# Altium PCB 400101.PcbDoc (continued)
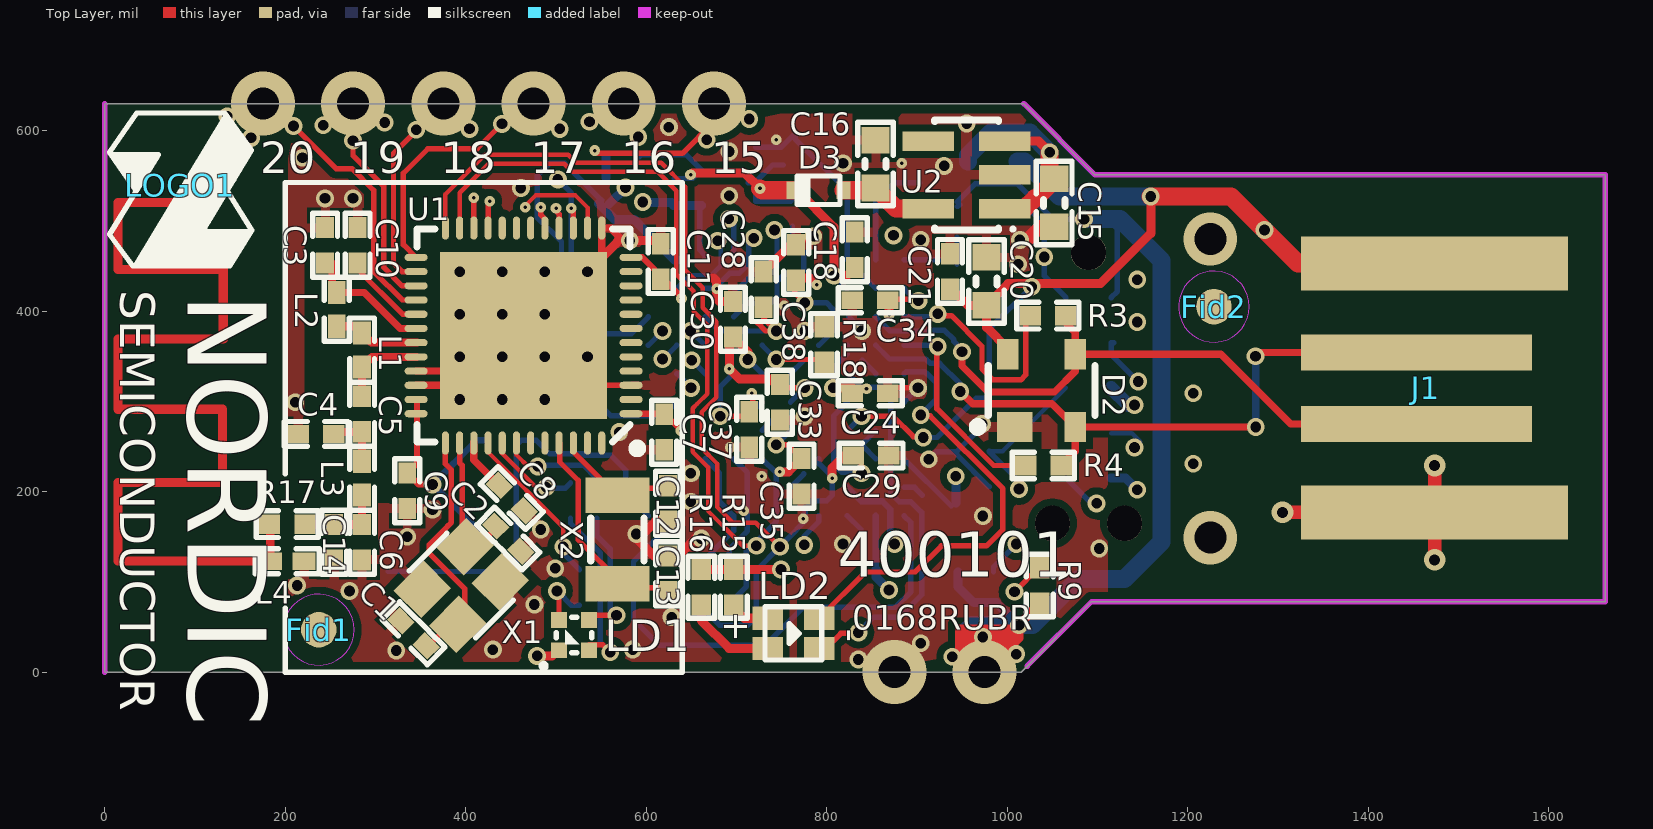
[diagram p0: Top Layer view]
## Footprints (in the part's own frame and the unit in brackets; to place one, negate y for a bottom-side part, rotate by r counter-clockwise, add the part's x,y. Pads: shape width x height; smd on the part's side, far side on the other; paste and mask are expansions set on the pad) (continued)
NORDIC_LOGO_M [mil] "Medium Nordic Logo"
  silkscreen extent -80,-78 90,80
QFN40P600X600X90-48N [mm] "QFN, 48-Leads, Body 6,0x6,0mm (max), Pitch 0,40mm, IPC Medium Density"
  oval 0.65x0.2 smd: 1(-3.025,2.2) 2(-3.025,1.8) 3(-3.025,1.4) 4(-3.025,1) 5(-3.025,0.6) 6(-3.025,0.2) 7(-3.025,-0.2) 8(-3.025,-0.6) 9(-3.025,-1) 10(-3.025,-1.4) 11(-3.025,-1.8) 12(-3.025,-2.2) 25(3.025,-2.2) 26(3.025,-1.8) 27(3.025,-1.4) 28(3.025,-1) 29(3.025,-0.6) 30(3.025,-0.2) 31(3.025,0.2) 32(3.025,0.6) 33(3.025,1) 34(3.025,1.4) 35(3.025,1.8) 36(3.025,2.2)
  oval 0.2x0.65 smd: 13(-2.2,-3.025) 14(-1.8,-3.025) 15(-1.4,-3.025) 16(-1,-3.025) 17(-0.6,-3.025) 18(-0.2,-3.025) 19(0.2,-3.025) 20(0.6,-3.025) 21(1,-3.025) 22(1.4,-3.025) 23(1.8,-3.025) 24(2.2,-3.025) 37(2.2,3.025) 38(1.8,3.025) 39(1.4,3.025) 40(1,3.025) 41(0.6,3.025) 42(0.2,3.025) 43(-0.2,3.025) 44(-0.6,3.025) 45(-1,3.025) 46(-1.4,3.025) 47(-1.8,3.025) 48(-2.2,3.025)
  rect 4.7x4.7 smd: 49(0,0)
  silkscreen extent -3.33,-3 3,3.3, body extent -3,-3 3,3, height 0.9
RESC1005X04L [mm] "Chip Resistor, 2-Leads, Body 1.0x0.5mm, IPC High Density"
  rect 0.6x0.55 smd: 1(-0.5,0) 2(0.5,0)
  silkscreen extent -0.87,-0.38 0.88,0.38, body extent -0.5,-0.25 0.5,0.25, height 0.3
SML-LX0404SIUPGUSB [mm]
  rect 0.45x0.45 smd paste+0: 1(0.425,-0.425) 2(-0.425,0.425) 3(-0.425,-0.425) 4(0.425,0.425)
  silkscreen extent -0.5,-0.5 0.92,0.93, body extent -0.5,-0.5 0.5,0.5, height 0.25
SOD-523 [mm]
  rect 0.4x0.5 smd: 1(0.7,0) 3(-0.7,0)
  silkscreen extent -0.6,-0.4 0.6,0.4, body extent -0.8,-0.4 0.8,0.4, height 0.7
SOT190P230X110-4L [mm] "SOT143, 4-Leads, Body 3.0x2.5mm (max), Pitch 1.90mm, IPC High Density"
  rect 0.85x1 smd: 1(-1.025,0.75)
  rect 0.85x0.6 smd: 2(-1.025,-0.95) 3(1.025,-0.95) 4(1.025,0.95)
  silkscreen extent -1.15,-1.5 0.7,1.92, body extent -1.21,-1.46 1.21,1.46, height 1
SOT-23-5 [mm] "SOT-23/SC-74A; 5 Leads; Body 3.1 x 3 mm, inc. leads (LxW max)"
  rect 0.55x1.45 smd: 1(-0.95,-1.075) 2(0,-1.075) 3(0.95,-1.075) 4(0.95,1.075) 5(-0.95,1.075)
  silkscreen extent -1.57,-1.35 1.55,0.9, body extent -1.5,-1.5 1.5,1.5, height 1.3
TC2050-IDC-NLFP [mil]
  round 39 hole 39 unplated: 0(-150,0) 0(150,-40) 0(150,40)
  round 31 smd paste-196.85: 1(-100,-25) 2(-50,-25) 3(0,-25) 4(50,-25) 5(100,-25) 6(100,25) 7(50,25) 8(0,25) 9(-50,25) 10(-100,25)
  Top Layer pour cut-out: -100,25 -100,-25 100,-25 100,25
USB-A-PCB [mil]
  rect 296x60 smd paste-196.85: 1(-7.87,-137.8) 4(-7.87,138)
  rect 256x40 smd paste-196.85: 2(12,-39.37) 3(12,40)
XTAL_3215 [mm] "XTAL SMD 3.2 x 1.5 mm"
  rect 1x1.8 smd: 1(-1.25,0) 2(1.25,0)
  silkscreen extent -0.6,-0.75 0.6,0.75, body extent -1.6,-0.75 1.6,0.75, height 0.81

## Part data
C1 C2 C12 C13: library part C0402-12p, "Capacitor, NP0, ±2%"
C3: library part C0402-2n2, "Capacitor, X7R, ±10%"
C4 C14: library part C0402-1.0p, "Capacitor, NP0, ±0.1pF"
C5: library part C0402-3.9p, "Capacitor, NP0, ±0.1pF"
C6: library part C0402-1.5p, "Capacitor, NP0, ±0.1pF"
C7 C8 C11 C18 C21 C24 C26 C29 C30 C31 C32 C33 C34 C35 C36 C37 C38 C39: library part C0402-100n, "Capacitor, X7R, ±10%"
C9: library part C0402-1n0, "Capacitor, X7R, ±10%"
C10: library part C0402-47n, "Capacitor, X7R, ±10%"
C15 C16: library part C0603-1µ0, "Capacitor, X7R, ±10%"
C19: library part C0402-10p, "Capacitor, NP0, ±2%"
C20 C25 C27: library part C0603-10µ, "Capacitor, X5R, ±20%"
C22 C23: library part C0402-18p, "Capacitor, NP0, ±5%"
C28: library part C0402-10n, "Capacitor, X7R, ±10%"
D1 D3: "Diode Schottky Vf=0.38, Vr=40V, If=200mA, Ir=500nA"
D2: "Ultra low capacitance double rail-to-rail ESD protection diode"
Fid1 Fid2: library part Fid-Mark, "Fiducial Mark"
J1: library part USB-A-PCB, "USB-A PCB footprint"
J2: library part TC2050-IDC-NLFP, "CBL PLUG-OF-NAILS 10-PIN"
L1: library part L0402-4n7, "Inductor, 160mA, ±0.1nH"
L2: library part L0402-27n, "Inductor, 70mA, ±2%"
L3: library part L0402-3n3, "Inductor, 190mA, ±0.1nH"
L4: library part L0402-1n8, "Inductor, 280mA, ±0.1nH"
LD1: library part SML-LX0404SIUPGUSB, "RGB LED 1.00 mm x 1.00 mm SMD"
LD2: "Ultra bright AlInGaP Bi-Color LED"
LOGO1: "Nordic Logo, medium size"
R1: library part R0402-10k, "Resistor, ±1%, 0.063W"
R3 R4: library part R0402-39R, "Resistor, ±1%, 0.063W"
R5 R19: library part R0402-6k8, "Resistor, ±1%, 0.063W"
R6 R7: library part R0402-150, "Resistor, ±1%, 0.063W"
R8 R9 R10 R11: library part R0402-4k7, "Resistor, ±1%, 0.063W"
R12: library part R0402-2k2, "Resistor, ±1%, 0.063W"
R13: library part R0402-680, "Resistor, ±1%, 0.063W"
R14: library part R0402-820, "Resistor, ±1%, 0.063W"
R15 R16: library part R0402-220, "Resistor, ±1%, 0.063W"
R17: library part R0402-0R, "Resistor, ±5%, 0.063W"
R18: library part R0402-1k0, "Resistor, ±1%, 0.063W"
R20: library part R0402-8k2, "Resistor, ±1%, 0.063W"
SW1: "Microminiature SMT Switch, Side Actuated"
U1: library part nRF51422-QFAC-XLR3+, "Multi-protocol Bluetooth Low Energy, ANT and 2.4GHz proprietary system-on-chip"
U2: "IC REG LDO 3.3V 300MA SOT23-5"
U3: "IC MCU 32bit 128kB flash 100TFBGA"
X1: library part NX2520SA-16MHZ-STD-CSW-5, "XTAL SMD 2520, 16MHz, 8pF, ±15ppm"
X2: library part "XTAL_FC-135 32.768k", "EPSON TOYOCOM - FC-135 32.768KHZ ±20PPM,9.0PF - CRYSTAL, SM, WATCH"
X3: library part "XTAL SMD 12MHz (3225)", "XTAL SMD 3225, 12MHz, 18pF, ±30ppm"

## Via types
v1: diameter 19.68, hole 11.81, Top Layer to Bottom Layer, tented both sides, 142 vias
v2: diameter 11.81, hole 3.94, Top Layer to Mid-Layer 1, tented both sides, 26 vias
v3: diameter 11.81, hole 3.94, Mid-Layer 2 to Bottom Layer, tented both sides, 19 vias
v4: diameter 70.87, hole 35.43, Top Layer to Bottom Layer, 8 vias
v5: diameter 24, hole 12, Top Layer to Bottom Layer, tented both sides, 3 vias
v6: diameter 59.06, hole 35.43, Top Layer to Bottom Layer, 2 vias

## Nets (pads, with @x,y where several pads share a name; then routed paths per layer and width w, separated by ;. In a path a pad name is that pad's centre, name@x,y a point inside that pad or via, vN(x,y) a via of type N, cw(c..) or ccw(c..) an arc to the next point about the centre after c; other vN are vias at no path point)
ANT: L4.2 R17.2 | length 1139.4
  Top Layer w9: L4.2 R17.2@183.3,163.02 ; R17.2@188.31,164 R17.2@189.3,163.02
  Top Layer w10: 74.38,520.31 14.3,520.31 14.3,446.31 131.19,446.31 131.19,369.31 14.3,369.31 14.3,291.31 130.19,291.31 130.19,210.31 14.3,210.31 14.3,123 L4.2@189.3,123
ANT1: L1.1 L2.2 U1.31 | length 96.4
  Top Layer w9: L2.2 277.4,383.3 295.57,365.13 U1.31@345.89,365.13
ANT2: C5.1 L1.2 U1.32 | length 99.1
  Top Layer w9: C5.1@285,304.7 L1.2 296.08,349.38 U1.32@345.89,349.38
BOOT: R1.1 SW1.1 U3.K10 | length 479.8
  Bottom Layer w6: SW1.1@314.13,111.54 455.87,111.54 455.87,251.18 R1.1 478,257 493,242 530.35,242 531.84,240.5 560.5,240.5 577,224 577,198.54 U3.K10
DEC1: C8.1 U1.39 | length 59.7
  Top Layer w8: U1.39@408.88,254.89 408.88,235.12 C8.1
DEC2: C10.1 U1.29 | length 93.4
  Top Layer w6: C10.1 280,446.45 329.83,396.62 U1.29@345.89,396.62
DFSD_N: R4.1 U3.D1 | length 225.5
  Top Layer w6: v1(923,361) 922,360 922,292 985,229 R4.1
  Bottom Layer w6: U3.D1 v1@917.4,362.24
DFSD_P: R3.1 U3.C1 | length 251.6
  Top Layer w6: v1(923,397) 923,396 924,395 938,395 972,361 972,336 984,324 1015,324 1020.41,329.41 1020.41,391.91 R3.1@1017.32,395
  Bottom Layer w6: U3.C1 U3.C1@885.83,393.65 ; U3.C1@887.47,392 U3.C1@885.83,393.65 ; v1@923,393.65 U3.C1@885.83,393.65
DHSD_N: D2.2 J1.2 R4.2 U3.D2 | length 771.6
  Top Layer w8: v1(948,311) 961.62,297.38 1049.67,297.38 D2.2 ; R4.2 1075.4,244.72 D2.2 ; v1(1275,350) 1279.34,354.34 J1.2 ; v1(1275.35,271.65) D2.2
  Bottom Layer w6: U3.D2 869.48,347 909.77,347 912.92,343.84 ; 912.95,343.84 914.63,342.16 925.01,342.16 948,319.17 v1(948,311)
  Bottom Layer w8: v1(1275,350) 1275.35,349.65 v1(1275.35,271.65)
DHSD_P: D2.3 J1.3 R3.2 U3.C2 | length 757.5
  Top Layer w8: v1(949.87,355) 949.87,339.13 978.62,310.38 1052.38,310.38 1075.4,333.4 D2.3 ; R3.2@1056.69,395 1075.4,376.28 D2.3 ; J1.3 1314.19,274.97 1236.8,352.35 D2.3
  Bottom Layer w6: U3.C2 869.98,378 914.77,378 915.61,378.84 930.39,378.84 940.84,368.39 940.84,366.39 949.87,357.36 v1(949.87,355)
ENSPI: U3.K1 U3.K9 | length 565.7
  Bottom Layer w6: U3.K9 633.76,170.55 585.83,122.61 585.83,58.17 614.12,29.88 731.88,29.88 774,72 876,72 893.06,89.06 893.06,165.94 U3.K1
GND: C1.2 C2.2 C3.2 C4.2 C6.2 C7.2 C8.2 C9.2 C10.2 C11.2 C12.2 C13.2 C14.2 C15.1 C16.1 C18.1 C19.1 C20.1 C21.1 C22.2 C23.2 C24.2 C25.1 C26.1 C27.1 C28.1 C29.1 C30.1 C31.1 C32.1 C33.1 C34.1 C35.1 C36.1 C37.1 C38.1 C39.1 D2.1 J1.4 J2.3 L4.1 R5.1 R8.2 R18.1 R20.2 SW1.2 U1.3 U1.13 U1.33 U1.34 U1.49 U2.2 U3.B2 U3.C3 U3.E2 U3.E5 U3.F1 U3.F6 U3.G2 U3.G6 U3.H2 U3.J1 U3.J5 U3.K3 X1.2 X1.4 X3.2 X3.4 | length 1829.2
  Top Layer w6: U1.49@519.12,317.88 U1.3 ; C38.1@766,474.68 770.32,479 v1@791,479 ; C24.2@867.69,315 v1(901,315)
  Top Layer w8: U1.34 408.88,317.88 U1.49@424.63,333.63 ; U1.33 U1.49@424.63,333.63 ; U1.49 U1.49@424.63,333.63 ; U1.49@550.61,459.61 U1.13 560.09,492.1 573.79,478.39 v1(581.76,478.39)
  Top Layer w10: X1.4@357.85,83.69 X1.4@357.85,94.82 ; U1.49 v1(534.87,443.87) U1.49@550.61,459.61 ; U1.49@546,455 567.63,476.63 ; v1(581.76,478.39) 612.35,478.39 C11.2 ; C12.2 610.31,167.31 596,153 v1(589,153) 589,148.22 608.53,128.69 C13.2 634.69,128.69 654,148 v1(661,148) ; 674,437 678,433 678,414 681.32,410.68 C30.1 ; C28.1 760,473.68 C38.1
  Top Layer w15: v1(1014,479) 1022,479 1036.43,493.43 C15.1 ; v5@1305.03,176.97 J1.4 ; v5(1473.58,124.43) v5(1473.58,229)
  Bottom Layer w6: v3(592,571) 594.57,573.57 C27.1 ; C27.1@628,573.57 644.11,573.57 661,556.68 651.32,547 v3@631,547 ; C23.2@712.91,542.31 C23.2 ; v3(713.36,284.36) U3.F6 ; v3(721,524) v3@721,522 ; U3.G6 v3(743.14,282.65) ; 752,562 740,562 721,543 C23.2 ; U3.J5 v3(774.64,219.65) ; U3.E5 v3(774.64,345.64) ; X3.2 760.05,522 v3@721,522 ; U3.K3 v3(837.63,158.38) ; U3.C3@824,394 v1@838.89,379.11 ; v3(839.35,251.15) U3.H2 ; v3@839.35,252.87 U3.G2 ; v3(839.35,345.64) U3.E2 ; v3(839.35,440.13) U3.B2 ; U3.J1 897.24,204.76 v3(906,196) ; U3.F1 v1@901,314.52 ; v1(913,236) 921.31,244.31 R20.2 ; v1(972,275) 972,272.31 R20.2 ; R8.2 944,241.31 R20.2 ; v3@721,522 C23.2
  Bottom Layer w10: v3(555.33,548) C25.1@555.33,572.25
  Bottom Layer w15: J2.3 1133.97,296 v1(1141,296)
  other v1: 835,14 323,24 430,25 585,25 904,32 628,61 476,75 271,90 213,96 499,115 1102,137 818,142 335,150 483,158 973,173 363,180 649.4,188.93 649.4,220.42 1206,231 570,266 775.39,283.42 211,299 393.13,302.13 440.38,302.13 487.62,302.13 1206,309 393.13,349.38 440.38,349.38 487.62,349.38 534.87,349.38 775.5,377.99 838.89,378.11 1144,388 393.13,396.62 440.38,396.62 487.62,396.62 1144,435 393.13,443.87 440.38,443.87 487.62,443.87 1012,452 904,479 785,483 244,525 275,525 692,528 461,536.56 930,561 818,564 219,570 692,577 625,604 955,608
  other v2: 774,170 708,179 728,217 693,249 753,406 678,425 883,564 744,590
  other v3: 575,398 797,524 628,550 772,560 859,564 902,609
  other v4: 875,0
  other v5: 1305,177
  other v6: 1225,149
IMCU_RESET: J2.10 R11.1 U3.B7 | length 603.9
  Mid-Layer 1 w6: v1(742,490) 754.6,502.6 1037.46,502.6 1041,499.06 v1(1041,460)
  Bottom Layer w6: U3.B7 701.87,425.24 716.76,440.13 736.57,440.13 744.86,448.41 744.86,487.14 v1(742,490) ; R11.1 1016,521 1041,496 v1(1041,460) 1041,438.97 J2.10
IMCU_TCKS: J2.4 R10.1 U3.A7 | length 901.4
  Mid-Layer 1 w6: v1(691.53,502.38) 696.84,497.07 696.84,470.61 705.45,462 789.79,462 796.79,469 825.56,469 846.83,447.72 955.28,447.72 1141,262 v1(1141,249) 1140,248 1087,248 1010,171 v1(1010,142)
  Bottom Layer w5: J2.4 1138.03,264.97 v1@1147.5,255.5
  Bottom Layer w6: v1(691.53,502.38) 696.84,497.07 696.84,456.82 U3.A7 ; R10.1 984.69,116.68 v1(1010,142)
IMCU_TDIS: J2.8 R8.1 U3.B9 | length 813.6
  Mid-Layer 1 w6: v1(679,478) 679,468 696,451 794.35,451 800.51,457.16 821.84,457.16 842.28,436.72 950.72,436.72 1014,373.44 v1@1014,203
  Bottom Layer w5: U3.B9 648.53,440 672,440 682.37,450.37 v1@682.37,475.37 ; R8.1 994.72,244.68 J2.8
  Bottom Layer w6: R8.1 1014,210.68 v1@1014,203
  other v1: 1013,203
IMCU_TDOS: J2.6 U3.B8 | length 917.1
  Mid-Layer 1 w6: v1(719,481) 719,497 735.6,513.6 1042.02,513.6 1058.84,496.77 1058.84,437.16 1172,324 1172,237.44 1154.71,220.16 1109.71,220.16 1099,209.44 v1(1099,187)
  Bottom Layer w6: U3.B8 675.7,425.24 692.3,441.84 702.92,441.84 713.36,452.28 713.36,475.36 v1(719,481) ; J2.6 v1@1095.98,183.98
IMCU_TMSS: J2.2 R9.1 U3.C7 | length 1057
  Top Layer w6: v1(1008,89) 1034.69,115.68 R9.1
  Mid-Layer 1 w6: v1(874,484) 874,482 897.28,458.72 960.28,458.72 1097,322 v1(1145,322) 1161,306 1161,242 1150.16,231.16 1105.16,231.16 1081.16,207.16 1081.16,157.24 1012.92,89 v1(1008,89)
  Mid-Layer 2 w6: v3(763,494) 777,508 854,508 v1@874,488
  Bottom Layer w6: U3.C7 711.65,408.63 737.63,408.63 744.86,415.86 744.86,432.86 753,441 770,441 774.64,445.64 774.64,465.54 762,478.18 v3@762,494 ; J2.2@1118.03,364.97 J2.2 1115,352 v1(1145,322)
NetC4_1: C4.1 C5.2 L3.1 | length 66.6
  Top Layer w9: C4.1@250.69,266 C5.2@284.69,266 ; L3.1 C5.2
NetC16_2: C16.2 D3.1 U2.5 | length 102.6
  Top Layer w20: D3.1 856.43,534 876.83,513.6 U2.5
NetC19_2: C19.2 R5.2 U3.A1 | length 83.9
  Bottom Layer w6: U3.A1 885.84,456.84 939.47,456.84 R5.2@939.58,456.73 ; R5.2@944.31,452 C19.2@944.31,482
NetC28_2: C28.2 U3.C8 | length 142.2
  Top Layer w6: 723,387.31 732.32,377.99 v1(744,377.99) 730,391.99 C28.2
  Bottom Layer w6: U3.C8 681.01,377.99 v1(744,377.99)
NetLD1_1: LD1.1 R12.2 | length 55.9
  Top Layer w6: v1(501,90) 503.27,87.73 LD1.1@503.27,63.73
  Bottom Layer w6: v1@503,88 516.69,74.31 R12.2
NetLD1_2: LD1.2 R13.2 | length 193.2
  Top Layer w6: LD1.2@536.73,30.27 551.73,30.27 v1(560,22)
  Bottom Layer w6: R13.2@516,170.31 516,165 549,132 549,33 v1(560,22)
NetLD1_3: LD1.3 R14.2 | length 146.2
  Top Layer w6: LD1.3@536.73,63.73 537.46,63 v1(567,63)
  Bottom Layer w6: R14.2 545,151.56 560,136.56 560,68 v1@565,63
NetLD2_1: LD2.1 R15.2 | length 46.5
  Top Layer w10: R15.2@694,74.31 708.58,59.73 LD2.1
NetLD2_2: LD2.2 R16.2 | length 103.5
  Top Layer w10: R16.2 661,57 691.73,26.27 LD2.2
NetR18_2: R18.2 U3.D6 | length 75.8
  Top Layer w6: v1(744,346.5) 795.82,346.5 R18.2@797,345.31
  Bottom Layer w6: U3.D6 v1(744,346.5)
NetR19_2: R19.2 R20.1 U3.G3 | length 190
  Top Layer w6: v1(838.49,283.5) 873.5,283.5 896,261 v1@906,261
  Bottom Layer w6: U3.G3 v1(838.49,283.5) ; v1(907,260) 922.23,260 965.55,303.31 R19.2
OB_LED1: LD2.4 U3.E3 | length 439.3
  Top Layer w6: LD2.4 798.92,26.27 815.65,43 834,43 v1(835,44)
  Bottom Layer w6: U3.E3 837.63,315.86 862.14,315.86 870.84,307.16 870.84,198.16 880,189 893,189 905,177 905,85.44 880.56,61 852,61 v1(835,44)
OB_LED2: LD2.3 U3.E1 | length 499.2
  Top Layer w6: LD2.3 842.81,111 898,111 927,140 977,140 995,158 995,203.44 914.44,284 v1@903,284
  Bottom Layer w6: U3.E1 887.83,332.84 908.39,332.84 910.49,330.75 911.25,330.75 921.17,320.83 921.17,302.17 v1(904,285)
P0.00: U1.4
P0.01: U1.5
P0.02: U1.6
P0.03: U1.7
P0.04: U1.8
P0.05: U1.9
P0.06: U1.10
P0.07: U1.11
P0.08: U1.14 U3.E9 | length 439
  Top Layer w5: v2@465.5,516.47 477.68,528.66 521.06,528.66 534.87,514.85 U1.14
  Mid-Layer 1 w6: v2(466,515) 466,434 480,420 494,420 599,315 v1(649.51,315)
  Bottom Layer w6: U3.E9 v1(649.51,315)
P0.09: U1.15 U3.D9 | length 264.3
  Top Layer w6: v2(516.81,513.95) 516.81,514.81 517,515 519.12,512.88 U1.15 ; v1@618,345 v1@618,346.48
  Mid-Layer 1 w6: v2(516.81,513.95) 516.81,514.81 517,515 522.44,515 552,485.44 552,459.18 596.53,414.65 596.53,368.47 v1(618,347)
  Bottom Layer w6: v1@618,345 618,346.48 U3.D9
P0.10: U1.16 U3.E8 | length 328.2
  Top Layer w6: v2@500,511 503.37,507.63 U1.16
  Mid-Layer 1 w6: v2@500,515 500,477 510,467 510,419.56 603.56,326 630.73,326 v1(650.37,345.64)
  Bottom Layer w6: v1(650.37,345.64) U3.E8
  other v2: 500,514
P0.11: U1.17 U3.D10 | length 286.5
  Top Layer w6: v2(483,515) 483,507 487.62,502.38 U1.17
  Mid-Layer 1 w6: v2(483,515) 483,521 490,528 525,528 563,490 563,464 618.02,408.98 v1(618.02,377.99)
  Bottom Layer w6: U3.D10 v1(618.02,377.99)
P0.12: U1.18
P0.13: U1.19
P0.14: U1.20
P0.15: U1.21 | length 340.9
  Top Layer w6: U1.21 v2@424.63,522 ; v2(543,578) 546.16,574.84 639.84,574.84 675,610 v4(675,630)
  Mid-Layer 1 w6: v2(426.63,522) 426.63,528.07 464.56,566 531,566 v2(543,578)
  other v1: 667,590 714,613
P0.16: U1.22 | length 243
  Top Layer w6: U1.22 v2(408.88,525.88)
  Mid-Layer 1 w6: v2(408.88,525.88) 460,577 522,577 v4(575,630)
  other v1: 591,593 537,610
P0.17: U1.25 | length 275.2
  Top Layer w6: U1.25 330.84,473.68 330.84,552.84 358,580 412.44,580 462.44,630 v4(475,630)
  other v1: 504,602 440,607.56
P0.18: U1.26 | length 228.5
  Top Layer w6: U1.26 329.26,443.87 319.84,453.28 319.84,574.84 v4(375,630)
  other v1: 345,601 404,602
P0.19: U1.27 | length 239.9
  Top Layer w6: v4(275,630) 275,572.4 308.84,538.56 308.84,448.72 329.45,428.12 U1.27
  other v1: 275,589 242,606 310,609
P0.20: U1.28 | length 312.7
  Top Layer w6: v4(175,630) 184.23,630 256.23,558 273.84,558 297.84,534 297.84,444.17 329.64,412.37 U1.28
  other v1: 162,592 209,605.23 135.6,616
P0.21: R12.1 U1.40 | length 182.2
  Top Layer w5: U1.40 424.63,243.9 508,160.53 v1(508,139)
  Bottom Layer w6: v1(508,139) 508,131.68 R12.1
P0.22: R13.1 U1.41 | length 105.6
  Top Layer w5: U1.41@440,253.91 440,242.67 478.67,204 v1@491,204
  Bottom Layer w6: v1@491,204 510.32,204 R13.1@516,209.68
  other v1: 489,205
P0.23: R14.1 U1.42 | length 115.1
  Top Layer w5: U1.42 456.13,240.68 469.81,227 v1@482,227
  Bottom Layer w6: v1@486,229 486.5,229.5 530.14,229.5 545,214.64 R14.1
  other v1: 479.75,228
P0.24: U1.43
P0.25: U1.44
P0.28: U1.47
P0.29: U1.48
RF: C6.1 C14.1 L3.2 R17.1 | length 94.9
  Top Layer w9: C6.1 L3.2
  Top Layer w10: R17.1@222.67,163.69 C6.1
SWCLK: R7.2 U1.24 U3.H4 | length 1111.7
  Top Layer w5: U1.24 377.39,529.61 421.12,573.34 513.33,573.34 522.33,564.34 616.66,564.34 643.34,537.66 643.34,445.21 662.41,426.14 662.41,403.74 677.71,388.43 677.71,304.53 661.41,288.23 661.41,248.12 678.39,231.14 678.39,183 695.79,165.59 721.41,165.59 v1(748,139)
  Bottom Layer w6: R7.2@657,76.31 681.31,52 712.61,52 721.83,61.21 721.83,112.83 v1(748,139) 757,148 757,148.23 776,167.23 776,183 782.87,189.87 799.87,189.87 806.13,196.13 806.13,216.25 791.24,231.14 U3.H4
SWDIO: R6.2 U1.23 U3.H6 | length 945.6
  Top Layer w5: U1.23 393.13,531.22 425.26,563.34 509.18,563.34 518.18,554.34 612.52,554.34 633.34,533.52 633.34,441.06 652.41,422 652.41,399.59 667.71,384.29 667.71,308.68 656.7,297.66 ; 656.66,297.66 651.41,292.41 651.41,243.98 668.39,227 668.39,178.61 707,140 v1(722,140)
  Bottom Layer w6: R6.2 710.83,95.14 710.83,133.83 744,167 744,220.51 U3.H6
TCKOUT: R7.1 U3.H8 U3.K7 | length 150.1
  Bottom Layer w6: R7.1@657,115.68 657,117 696.76,156.76 U3.K7 681,189.02 681,220.52 U3.H8
TMSOUT: R6.1 U3.H7 | length 135.2
  Bottom Layer w6: R6.1 692,136.44 712,156.44 712,221.02 U3.H7
VBUS: C20.2 C21.2 D1.1 D2.4 J1.1 J2.5 R19.1 | length 1427.9
  Top Layer w10: C21.2@940.61,430.43 936.5,426.31 956.39,406.43 C20.2 ; D2.4 1000.6,358.4 977,382 C20.2 ; v1(1159,527) 1159,486.36 1103.07,430.43 1001,430.43 C20.2
  Top Layer w20: v1(1159,527) 1248,527 v1(1285.12,489.88) 1322.24,452.76 J1.1@1450,452.76
  Mid-Layer 1 w10: v1(1144,202) 1262,202 1303,243 1303,472 v1(1285.12,489.88)
  Bottom Layer w6: R19.1 980,380 v1(1027,427)
  Bottom Layer w10: J2.5 1131.03,214.97 v1(1144,202)
  Bottom Layer w20: D1.1 1019,566 1058,527 v1(1159,527)
VCORE: C24.1 C25.2 C34.2 C35.2 C36.2 C37.2 C38.2 C39.2 U3.A9 U3.B1 U3.D3 U3.D4 U3.E7 U3.F9 U3.G5 U3.H1 | length 2182.5
  Top Layer w6: v1(681.78,283.5) 712.82,283.5 718,288.69 v2@718,311 ; v1(744,252) 756.69,252 C35.2 ; C38.2@764.31,437 764.31,420.67 v1(775.5,409.49) ; C34.2@867.69,413 v1@897.97,413
  Top Layer w10: v2(748,222) 757.31,222 C35.2 ; C38.2@764.31,437 781.15,437 v2(789,429.15) ; v1(807,315) C24.1@828.32,315 ; v2(869,396) C34.2@869,411.69
  Mid-Layer 1 w10: v1(577,537) 577,548.95 594.95,566.91 656.32,566.91 664.91,558.32 664.91,544.41 659,538.51 659,468.11 690.11,437 782.15,437 799.68,419.47 ; v2(717,309) 737,309 799.68,371.68 ; v2(748,222) 764,222 816,274 816,292 838,314 v2(844,314) ; v2(869,396) 845.53,419.47 799.68,419.47 ; v1(943,217) 942.16,216.16 897.84,216.16 863,251 863,295 v2(844,314) ; 799.68,371.68 844,327.36 v2(844,314) ; 799.68,371.68 799.68,419.47
  Bottom Layer w6: C25.2@550.4,522.83 509.39,563.84 492.84,563.84 479,550 479,504 506,477 506,338.69 C36.2 560.69,284 618.51,284 U3.F9 ; v1(681.78,283.5) 681.78,315.77 U3.E7 ; v1@745.99,254 U3.G5 ; v1(775.5,409.49) 799.51,409.49 807,402 807,378 U3.D4 ; v1(807,315) 807,337.15 822.74,352.89 U3.D3 ; U3.H1 C39.2@937.89,184.1 ; U3.B1 v1@901.48,409.49
  Bottom Layer w10: C25.2 564.82,501.61 586.61,501.61 591.25,496.96 631.48,456.73 U3.A9 ; C25.2@559.43,519.43 v1(577,537) ; C39.2 v1(943,217)
  other v1: 901.48,411.49
VDD_3V3: C7.1 C9.1 C11.1 C18.2 C26.2 C27.2 C29.2 C30.2 C31.2 C32.2 C33.2 D3.3 J2.1 LD1.4 R1.2 R9.2 R10.2 R11.2 R15.1 R16.1 U1.1 U1.12 U1.35 U1.36 U3.A8 U3.B3 U3.C10 U3.D8 U3.E6 U3.F3 U3.F5 U3.J3 U3.K2 U3.K4 | length 5179
  Top Layer w6: C33.2@746,318.69 749.69,315 v1(775.5,315) ; C29.2 838.49,230.83 v1(838.49,220.51)
  Top Layer w7: U1.35@345.89,302.13 345.89,231.57 C9.1 347.68,208 v1@362,208 ; U1.1 620,286.39 v2@638.5,267.89 ; U1.12 595.39,459.61 v2@640,415 ; C7.1@620,280 C7.1@620,281.4
  Top Layer w10: v1(479,18) 495.54,18 LD1.4@502.54,25 ; v2(649,551) 651,553 709,553 v2(726,536) ; R16.1@664,113.69 v1(749.31,113.69) ; v1(712.5,346.5) 712.5,354.81 C30.2 692,367.31 v2(692,336) 703,325 737.43,325 743.75,318.69 C33.2@746,318.69 ; D3.3 767,534 807.9,493.1 v1(807.9,439.32) 822,439.32 C18.2 ; v2(806,215) 806,226.43 819.57,240 C29.2 ; v4(975,0) 1013,38 v1(1013,52) 1013,53.31 R9.2
  Top Layer w20: v2(726,536) 728,534 D3.3
  Mid-Layer 1 w10: v1@362,208 v1(363.06,208) 389.06,182 524,182 617,275 ; v1(479,18) 479,25 552,98 552,179 618,245 644,245 657,258 ; v1(502,546) 533,546 567,512 587,512 v1(596,521) ; v2(638,267.39) 630.39,275 617,275 ; v2(639,414) 639,416 602,453 602,515 v1(596,521) ; v1@651.02,376.01 689.51,376.01 689.51,388.49 637,441 637,539 v2(649,551) 616,551 596.84,531.84 596.84,521.84 v1(596,521) ; 690,376.5 690,327 657,294 ; v1(749.31,113.69) 750.75,113.69 775,137.94 v1(775,141) 774,141 767.84,147.16 767.84,147.22 725.06,190 ; v2(806,215) 806,204 792,190 ; v1@871.84,93.84 v1(869,91) 855,105 855,140 ; v1(875,142) 873,140 855,140 ; 617,275 636,294 657,294 ; 657,258 725,190 725.06,190 ; 657,258 657,294 ; 725.06,190 792,190 ; 792,190 805,190 855,140
  Mid-Layer 1 w20: v2(726,536) 1046,536 1080,502 v1(1085,502)
  Bottom Layer w6: v1(502,546) 517,531 517,407.31 C31.2 ; C31.2@545,375 583.53,375 U3.C10 ; v1@649.76,377.75 U3.D8 ; C26.2@661,517.31 659,515.31 659,468.11 665.26,461.85 U3.A8 ; v1(712.5,346.5) U3.E6 ; U3.F5 v1(775.5,315) ; v1(775,141) 775,150.68 791.24,166.92 U3.K4 ; v1(807.9,439.32) 821.98,425.24 U3.B3 ; U3.F3 807.85,284.36 807.85,230.09 816.57,221.37 837.63,221.37 v1(838.49,220.51) ; R11.2@944.31,516 945.05,516 R11.2@947.18,518.13 ; R11.2 964.31,541 1011.56,541 1050.56,502 v1(1085,502) ; 1111,502 1122,491 1122,421.97 J2.1
  Bottom Layer w7: 416.31,155 363.31,208 v1(363.06,208) 412.06,257 R1.2 ; U3.J3 838.13,189.37 861.63,189.37 870.34,180.66 870.34,146.66 v1(875,142) ; C32.2@854.24,116.45 U3.K2
  Bottom Layer w10: v1(596,521) 596.57,520.43 C27.2 C27.2@628,520.43 ; C27.2@630.11,517.31 C26.2@661,517.31 ; C32.2 854.69,105.31 v1(869,91) ; R10.2 945.31,94.69 963,77 988,77 v1(1013,52)
  Bottom Layer w20: 953,44 961,52 1028.04,52 1079.04,103 1130,103 1171,144 1171,456 1125,502 1111,502 v1(1085,502)
  other v1: 939,17 1010,20 973,39 649.02,378.01
VDD_PA: C3.1 L2.1 U1.30 | length 140.1
  Top Layer w8: C3.1@252,453.32 252,425.7 L2.1 287.37,420.7 327.2,380.87 U1.30@345.89,380.87
VIN: C15.2 D1.3 U2.1 U2.3 | length 530.4
  Top Layer w10: U2.3@990.57,587.57 U2.3@994,587.57 ; U2.3 1034.6,588.4 v1(1047,576) 1052,571 C15.2
  Top Layer w20: U2.1 1019.02,513.6 1030.6,525.17 1032.08,525.17 1052,545.09 C15.2 1046.94,551.64 v1@1046.94,575.94
  Mid-Layer 1 w10: v1(1047,576) 1115.84,507.16 1197.84,507.16 v6(1225,480)
  Bottom Layer w10: 954.44,576 960,576
  Bottom Layer w20: D1.3 956.44,572.44 960,576 982,598 1024.87,598 v1@1046.94,575.94
XC1: C1.1 U1.37 X1.1 | length 266.6
  Top Layer w6: C1.1@361.92,32.08 399,69.16 399,92.3 359.16,132.14 359.16,141.07 380,161.91 380,162 383.88,165.88 383.88,224.15 377.39,230.64 U1.37
XC2: C2.1 U1.38 X1.3 | length 157.4
  Top Layer w6: U1.38@393.13,254.89 U1.38 393.13,231.87 395.88,229.12 X1.3@395.88,148.86 ; X1.3@405.18,142.15 X1.3@409.13,146.11 ; X1.3@411.88,148.86 X1.3@409.13,146.11 ; C2.1@439.08,164.92 418.16,144 409.13,144 X1.3@409.13,146.11
XIN: C22.1 U3.A2 X3.1 | length 122.5
  Bottom Layer w6: U3.A2 854.24,522.17 X3.1 874.38,542.31 C22.1
XL1: C12.1 U1.46 X2.1 | length 138.9
  Top Layer w6: U1.46@519.12,254.89 U1.46 519.12,243.91 566.82,196.21 X2.1 ; X2.1@567.45,202.16 X2.1@573.98,208.68 ; X2.1@573.98,203.68 C12.1@624,203.68
XL2: C13.1 U1.45 X2.2 | length 235.5
  Top Layer w6: U1.45 503.84,253.43 503.84,233.16 524.57,212.43 524.57,146.62 X2.2@572.87,98.31 ; X2.2@572.87,93.31 C13.1@624,93.31
XOUT: C23.1 U3.A3 X3.3 | length 214.4
  Bottom Layer w6: C23.1 749.74,581.68 764.99,596.94 764.99,591.01 822.74,533.26 U3.A3
pads on no net: Fid1.0 Fid2.0 J2.0 J2.7 J2.9 U1.2 U2.4 U3.A4 U3.A5 U3.A6 U3.A10 U3.B4 U3.B5 U3.B6 U3.B10 U3.C4 U3.C5 U3.C6 U3.C9 U3.D5 U3.D7 U3.E4 U3.E10 U3.F2 U3.F4 U3.F7 U3.F8 U3.F10 U3.G1 U3.G4 U3.G7 U3.G8 U3.G9 U3.G10 U3.H3 U3.H5 U3.H9 U3.H10 U3.J2 U3.J4 U3.J6 U3.J7 U3.J8 U3.J9 U3.J10 U3.K5 U3.K6 U3.K8

## Polygon pours and split planes (outlines as drawn)
GND on Top Layer "Top_Layer-GND" (solid, remove dead copper, pour order 8): -53.42,-74.33 -53.42,678.16 -49.8,682.53 1724.65,682.53 1729.19,688 1729.19,-72.14 1731,-74.33
GND on Bottom Layer "Bottom_Layer-GND" (solid, remove dead copper, pour order 5): -35.39,-103.72 -35.39,722.2 -31.76,727 1747.64,727 1752.18,733 1752.18,-101.32 1754,-103.72
GND on Mid-Layer 1 "Mid_Layer_1-GND" (solid, remove dead copper, pour order 7): -53.42,-74.33 -53.42,706.78 -49.74,711.32 1749.56,711.32 1754.16,717 1754.16,-72.06 1756,-74.33
GND on Mid-Layer 2 "Mid_Layer_2-GND" (solid, remove dead copper, pour order 6): -63.42,-70.33 -63.42,704.86 -59.65,709.37 1785.4,709.37 1790.11,715 1790.11,-68.08 1792,-70.33

## Keep-outs
Keep-Out Layer:
  lines w5.91: 1093.44,77.97 1662.55,77.97 1662.55,551.19 1097.52,551.19
  lines w6: 0,0 0,629.92 ; 1018.41,629.92 1097.33,551 ; 1022,6.59 1093.41,78

## Other copper
Top Layer:
  rectangle net VDD_3V3: 942,12 1010,53
  pour cut-out: 1048.41,11.43 1048.41,-104 137.41,-104 137.41,11.43
  pour cut-out: 175,618.57 175,646 1086,646 1086,618.57
  pour cut-out: 1111.37,77.97 1111.37,551.19 1662.55,551.19 1662.55,77.97
  pour cut-out: 221,480 323,480 323,223 221,223
  pour cut-out: 199,250 339,250 339,187 199,187
  pour cut-out: 193,200 283,200 283,137 193,137
  pour cut-out: 426.42,191.58 453.03,218.18 474.95,196.26 448.34,169.66
  pour cut-out: 365.98,473 562,473 562,275 366.03,275
  pour cut-out: -20,673 203,673 203,-29 -20,-29
Mid-Layer 1:
  rectangle net VDD_3V3: 942,12 1010,53
  pour cut-out: 1048.41,11.43 1048.41,-104 137.41,-104 137.41,11.43
  pour cut-out: 175,618.57 175,646 1086,646 1086,618.57
  pour cut-out: -20,673 203,673 203,-29 -20,-29
  pour cut-out: 221,480 323,480 323,136 221,136
Mid-Layer 2:
  rectangle net VDD_3V3: 942,12 1010,53
  pour cut-out: 1048.41,11.43 1048.41,-104 137.41,-104 137.41,11.43
  pour cut-out: 175,618.57 175,646 1086,646 1086,618.57
  pour cut-out: -20,673 203,673 203,-29 -20,-29
  pour cut-out: 221,480 323,480 323,136 221,136
Bottom Layer:
  rectangle net VDD_3V3: 942,12 1010,53
  pour cut-out: 1048.41,11.43 1048.41,-104 137.41,-104 137.41,11.43
  pour cut-out: 175,618.57 175,646 1086,646 1086,618.57
  pour cut-out: -20,673 203,673 203,-29 -20,-29

## Silkscreen, mask and mechanical layers (free items; w line width, h text height)
Top Overlay:
  lines w6: 199.95,71 199.95,0 640,0 640,542.55 199.95,542.55 199.95,220
  text "20" at 172,553 h35
  text "19" at 272,553 h35
  text "18" at 372,553 h35
  text "17" at 472,553 h35
  text "16" at 572,553 h35
  text "15" at 672,553 h35
  text "SEMICONDUCTOR" at 4.31,423.39 h65 r270
  text "NORDIC" at 63,420 h150 r270
  text "400101" at 812,89 h85
  text "0168RUBR" at 828,47.22 h27
Bottom Overlay:
  drawing of 3694 lines, arcs and shapes, not listed
  text "3.6V-5.5V" at 1326,508 h30
  text "R" at 156.65,430.1 h53
  text "E" at 189.55,430.1 h53
  text "G" at 229.85,430.1 h53
  text "G" at 268.85,430.1 h53
  text "E" at 299.72,430.1 h53
  text "S" at 334.75,430.1 h53
  text "TM" at 343.15,373.5 h37
  text "Technology" at 292.65,356.9 h57
  text "J-Link" at 479.75,356.9 h57
  text "www.segger.com" at 476.55,311.6 h66
  text "GND" at 1263,86 h30
  text "GND" at 915,49 h30
  text "3.3V" at 1020,49 h30
Mechanical 1:
  lines w5.91: 1093.44,77.97 1662.55,77.97 1662.55,551.19 1097.52,551.19
  lines w6: 0,629.92 0,0 1015.41,0 1093.41,78 ; 0,630 1018.41,630 ; 1018.41,629.92 1097.33,551
Mechanical 3:
  lines w6: 1111.37,77.97 1111.37,551.19
Mechanical 4:
  lines w6: 514,629.92 514,0 976.04,0 1072,95.96 1072,536.96 979.04,629.92 514.67,629.92

## Text inside footprints (layer, text, board x,y; h text height)
J1: Mechanical 3 "Card edge" at 1688.14,434.65 h62 r270
LD2: Top Overlay "+" at 711.62,33 h30 r90; Top Overlay "-" at 835.64,33 h30 r90